# Altium PCB PCB1.pcbdoc
Units mil, origin at the board's own origin, x right, y up, seen from the top; angles counter-clockwise.
Board outline 7060 x 3517.91 mil, 2 copper layers (Top Layer, Bottom Layer); 12 components, 16 nets, 96 pads, 3 vias.
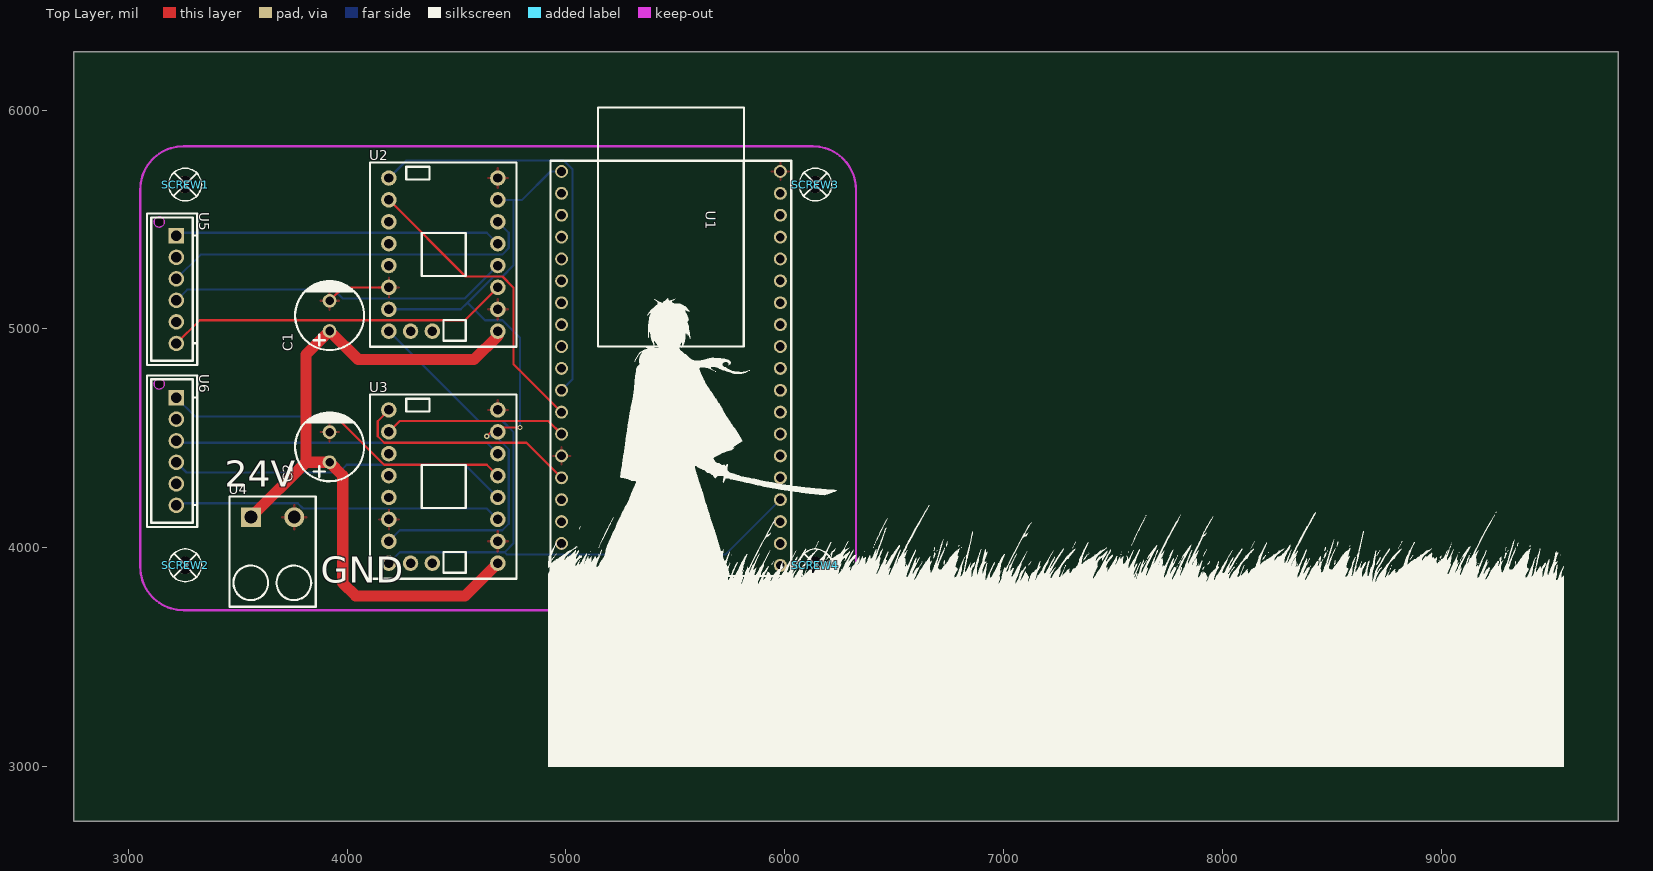
[diagram p0: Top Layer view]
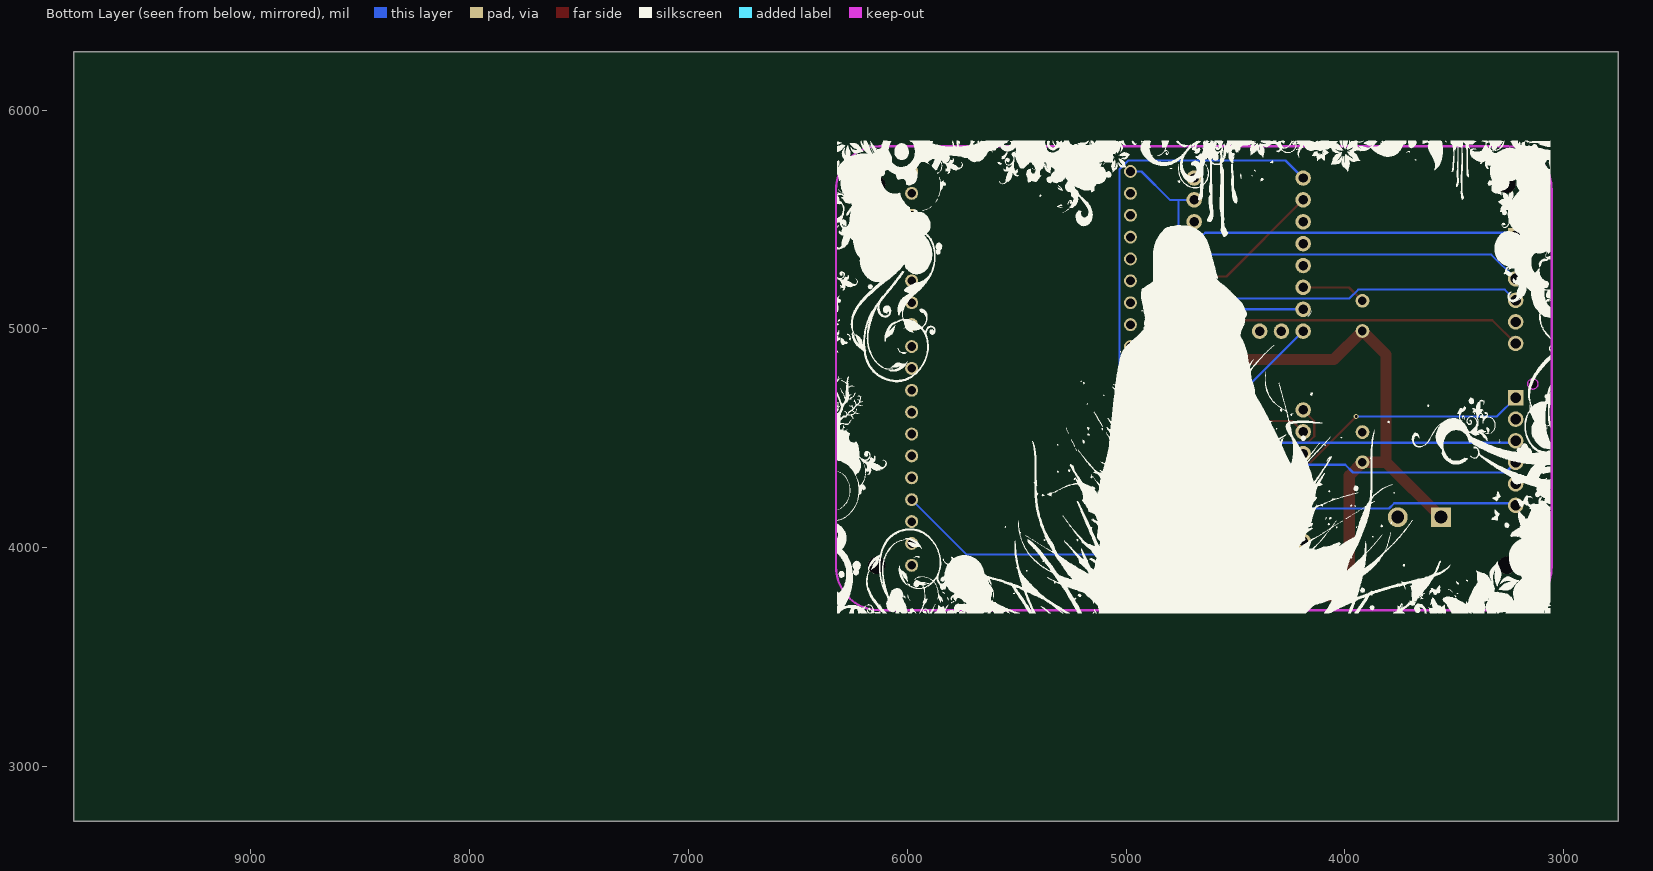
[diagram p1: Bottom Layer view, seen from below]

## Layer stack, top to bottom
Top Layer: signal copper (thickness not stored)
Dielectric: dielectric 12.6, FR-4, Dk 4.8
Bottom Layer: signal copper (thickness not stored)

## Board outline
9810,2750 2750,2750 2750,6267.91 9810,6267.91

## Design rules (kind name [scope] priority, off if disabled: settings)
BoardOutlineClearance copperThickness1oz [All] p0: genericclearance=10 ignorepadtopadclearanceinfootprint=FALSE except(0: Arc-SplitContinuation Track-SplitContinuation SMDPad-SplitContinuation THPad-SplitContinuation Via-SplitContinuation Fill-SplitContinuation Poly-SplitContinuation Region-SplitContinuation Text-SplitContinuation; 6: Track-CutoutEdge SMDPad-CutoutEdge THPad-CutoutEdge Via-CutoutEdge Region-CutoutEdge; 11.8: Track-OutlineEdge SMDPad-OutlineEdge THPad-OutlineEdge Via-OutlineEdge Fill-OutlineEdge Region-OutlineEdge Poly-OutlineEdge Text-OutlineEdge Fill-CutoutEdge)
BoardOutlineClearance copperThickness2oz [All] p0: genericclearance=10 ignorepadtopadclearanceinfootprint=FALSE except(0: Arc-SplitContinuation Track-SplitContinuation SMDPad-SplitContinuation THPad-SplitContinuation Via-SplitContinuation Fill-SplitContinuation Poly-SplitContinuation Region-SplitContinuation Text-SplitContinuation; 6: Track-CutoutEdge SMDPad-CutoutEdge THPad-CutoutEdge Via-CutoutEdge Region-CutoutEdge; 11.8: Track-OutlineEdge SMDPad-OutlineEdge THPad-OutlineEdge Via-OutlineEdge Fill-OutlineEdge Region-OutlineEdge Poly-OutlineEdge Text-OutlineEdge Fill-CutoutEdge)
Clearance copperThickness1oz [(InNet('3V3') OR InNet('IO27') OR InNet('IO14') OR InNet('IO12') OR InNet('GND') OR InNet('IO13') OR InNet('IO15') OR InNet('M1B') OR InNet('M1A') OR InNet('M2A') OR InNet('M2B') OR InNet('24V') OR InNet('$1N1393') OR InNet('$1N1386') OR InNet('$1N1398') OR InNet('$1N1404'))] p1: gap=7 ignorepadtopadclearanceinfootprint=FALSE except(4: Track-Track; 6: Track-SMDPad SMDPad-SMDPad Track-THPad SMDPad-THPad THPad-THPad Track-Via SMDPad-Via THPad-Via Via-Via SMDPad-Fill THPad-Fill Via-Fill Fill-Fill Track-Region SMDPad-Region THPad-Region Via-Region Region-Region Track-Poly SMDPad-Poly THPad-Poly Via-Poly Fill-Poly Region-Poly Poly-Poly Track-Text SMDPad-Text THPad-Text Via-Text Fill-Text Region-Text Poly-Text Text-Text; 6.9: Track-Hole SMDPad-Hole THPad-Hole Via-Hole Fill-Hole Region-Hole Poly-Hole Text-Hole Sheet-Hole; 11.8: Track-Fill Fill-Region Track-Sheet SMDPad-Sheet THPad-Sheet Via-Sheet Fill-Sheet Region-Sheet Poly-Sheet Text-Sheet)
Clearance copperThickness2oz [All] p1: gap=7 ignorepadtopadclearanceinfootprint=FALSE except(6: Track-SMDPad SMDPad-SMDPad Track-THPad SMDPad-THPad THPad-THPad Track-Via SMDPad-Via THPad-Via Via-Via SMDPad-Fill THPad-Fill Via-Fill Fill-Fill Track-Region SMDPad-Region THPad-Region Via-Region Region-Region Track-Poly SMDPad-Poly THPad-Poly Via-Poly Fill-Poly Region-Poly Poly-Poly Track-Text SMDPad-Text THPad-Text Via-Text Fill-Text Region-Text Poly-Text Text-Text; 6.9: Track-Hole SMDPad-Hole THPad-Hole Via-Hole Fill-Hole Region-Hole Poly-Hole Text-Hole Sheet-Hole; 8: Track-Track; 11.8: Track-Fill Fill-Region Track-Sheet SMDPad-Sheet THPad-Sheet Via-Sheet Fill-Sheet Region-Sheet Poly-Sheet Text-Sheet)
DiffPairsRouting differentialPair [All] p1: maxuncoupledlength=10 minlimit=6 maxlimit=6 mostfreqgap=6 toplayer_minwidth=5 toplayer_prefwidth=10 toplayer_maxwidth=100 bottomlayer_minwidth=5 bottomlayer_prefwidth=10 bottomlayer_maxwidth=100
PasteMaskExpansion pasteMaskExpansion [All] p1: expansion=0
PlaneConnect innerPlane [All] p1: planeconnectstyle=Relief reliefexpansion=20 reliefentries=4 reliefconductorwidth=10 reliefairgap=10
PolygonConnect copperRegion [All] p1: connectstyle=Relief reliefentries=4 reliefconductorwidth=10 polygonreliefangle="90 Angle" airgapwidth=10
RoutingVias viaSize [All] p1: viastyle="Through Hole" holewidth=12.0078 minholewidth=11.811 maxholewidth=248.0314 width=24.0158 minwidth=19.685 maxwidth=393.7008
SolderMaskExpansion solderMaskExpansion [All] p1: useseparateexpansions=TRUE expansion=2 expansionbottom=2
Width copperThickness1oz [All] p1: maxlimit=100 minlimit=5 preferedwidth=10
Width copperThickness2oz [All] p1: maxlimit=100 minlimit=8 preferedwidth=10

## Components (designator, comment, footprint, x,y, rotation, side; value= is the part's Value field where it differs from the comment)
C1 "100uF35V8x11GF" CAP-TH_BD8.0-P3.50-D0.6-FD-H10.0 3920,5060 r90 top
C2 "100uF35V8x11GF" CAP-TH_BD8.0-P3.50-D0.6-FD-H10.0 3920,4460 r90 top
SCREW1 "Screw-Hole-M2" Screw-Hole-M2 3260,5660 r0 top
SCREW2 "Screw-Hole-M2" Screw-Hole-M2 3260,3920 r0 top
SCREW3 "Screw-Hole-M2" Screw-Hole-M2 6140,5660 r0 top
SCREW4 "Screw-Hole-M2" Screw-Hole-M2 6140,3920 r0 top
U1 "ESP32-DevKitC" BULETM-SMD_ESP32-DEVKITC 5480,4820 r270 top
U2 "TMC2209SILENTSTEPSTICK" COMM-TH_TMC2209SILENTSTEPSTICK 4440,5340 r0 top
U3 "TMC2209SILENTSTEPSTICK" COMM-TH_TMC2209SILENTSTEPSTICK 4440,4280 r0 top
U4 "1988804" CONN-TH_1988804 3660,4140 r0 top
U5 "B6B-XH-AM(LF)(SN)" CONN-TH_6P-P2.50_B6B-XH-AM-LF-SN 3220,5180 r270 top
U6 "B6B-XH-AM(LF)(SN)" CONN-TH_6P-P2.50_B6B-XH-AM-LF-SN 3220,4440 r270 top

## Footprints (in the part's own frame and the unit in brackets; to place one, negate y for a bottom-side part, rotate by r counter-clockwise, add the part's x,y. Pads: shape width x height; smd on the part's side, far side on the other; paste and mask are expansions set on the pad)
BULETM-SMD_ESP32-DEVKITC [mm]
  round 1.5 hole 1: 1(-22.86,-12.7) 2(-20.32,-12.7) 3(-17.78,-12.7) 4(-15.24,-12.7) 5(-12.7,-12.7) 6(-10.16,-12.7) 7(-7.62,-12.7) 8(-5.08,-12.7) 9(-2.54,-12.7) 10(0,-12.7) 11(2.54,-12.7) 12(5.08,-12.7) 13(7.62,-12.7) 14(10.16,-12.7) 15(12.7,-12.7) 16(15.24,-12.7) 17(17.78,-12.7) 18(20.32,-12.7) 19(22.86,-12.7) 20(-22.86,12.7) 21(-20.32,12.7) 22(-17.78,12.7) 23(-15.24,12.7) 24(-12.7,12.7) 25(-10.16,12.7) 26(-7.62,12.7) 27(-5.08,12.7) 28(-2.54,12.7) 29(0,12.7) 30(2.54,12.7) 31(5.08,12.7) 32(7.62,12.7) 33(10.16,12.7) 34(12.7,12.7) 35(15.24,12.7) 36(17.78,12.7) 37(20.32,12.7) 38(22.86,12.7)
  silkscreen extent -30.3,-13.97 24.1,13.97
CAP-TH_BD8.0-P3.50-D0.6-FD-H10.0 [mm]
  round 1.6 hole 1: 1(-1.75,0) 2(1.75,0)
  silkscreen extent -3.96,-4 4.04,4
COMM-TH_TMC2209SILENTSTEPSTICK [mm]
  round 1.8 hole 1.1: 1(6.32,8.89) 2(6.32,6.35) 3(6.32,3.81) 4(6.32,1.27) 5(6.32,-1.27) 6(6.32,-3.81) 7(6.32,-6.35) 8(6.32,-8.89) 9(-6.32,8.89) 10(-6.32,6.35) 11(-6.32,3.81) 12(-6.32,1.27) 13(-6.32,-1.27) 14(-6.32,-3.81) 15(-6.32,-6.35) 16(-6.32,-8.89) 17(-3.81,-8.89) 18(-1.27,-8.89)
  silkscreen extent -8.5,-10.7 8.5,10.7
CONN-TH_6P-P2.50_B6B-XH-AM-LF-SN [mm]
  rect 1.8x1.8 hole 1.2: 1(-6.25,0)
  round 1.8 hole 1.2: 2(-3.75,0) 3(-1.25,0) 4(1.25,0) 5(3.75,0) 6(6.25,0)
  Board Outline Layer circle w0.005: c-7.85,-2 r0.6
  Board Outline Layer region: -7.85,-1.4 -7.59,-1.459 -7.381,-1.626 -7.265,-1.866 -7.265,-2.134 -7.381,-2.374 -7.59,-2.541 -7.85,-2.6 -7.85,-2.6 -8.11,-2.541 -8.319,-2.374 -8.435,-2.134 -8.435,-1.866 -8.319,-1.626 -8.11,-1.459 -7.85,-1.4
  Multi-Layer board cut-out: -7.85,-1.4 -7.59,-1.459 -7.381,-1.626 -7.265,-1.866 -7.265,-2.134 -7.381,-2.374 -7.59,-2.541 -7.85,-2.6 -7.85,-2.6 -8.11,-2.541 -8.319,-2.374 -8.435,-2.134 -8.435,-1.866 -8.319,-1.626 -8.11,-1.459 -7.85,-1.4
  silkscreen extent -8.83,-3.43 8.76,2.41
CONN-TH_1988804 [mm]
  rect 2.3x2.3 hole 1.5: 1(-2.5,0)
  round 2.3 hole 1.5: 2(2.5,0)
  silkscreen extent -5,-10.4 5,2.4
Screw-Hole-M2 [mm]
  round 2 hole 2: 1(0,0)
  silkscreen extent -1.9,-1.9 1.9,1.9

## Via types
v1: diameter 24.02, hole 12.01, Top Layer to Bottom Layer, 3 vias

## Nets (pads, with @x,y where several pads share a name; then routed paths per layer and width w, separated by ;. In a path a pad name is that pad's centre, name@x,y a point inside that pad or via, vN(x,y) a via of type N, cw(c..) or ccw(c..) an arc to the next point about the centre after c; other vN are vias at no path point)
3V3: U1.1 U2.2 U2.15 U3.2 U3.15 | length 3226.3
  Top Layer w10: v1(4638.82,4510) 4658.82,4530 U3.2 4708.82,4550 v1(4790,4550)
  Bottom Layer w10: U3.15 4241.18,4080 4708.82,4080 4738.82,4110 4738.82,4450 4678.82,4510 v1(4638.82,4510) ; U2.15 4520.01,5090 4550,5120 ; U2.2 4800,5590 4930,5720 U1.1 ; 4760,5590 4760,5290 4710,5240 4670,5240 4550,5120 ; v1(4790,4550) 4790,4960 4710,5040 4630,5040 4550,5120
24V: C1.1 C2.1 U2.8 U3.8 U4.1 | length 3368
  Top Layer w51.18: U4.1 3812.68,4391.1 ; U3.8 4538.82,3780 4040,3780 3980,3840 3980,4331.1 C2.1 3812.68,4391.1 ; U2.8 4688.82,4968.82 4580,4860 4051.1,4860 C1.1 3812.68,4883.77 3812.68,4391.1
$1N1386: U3.4 U6.1 | length 1616.3
  Top Layer w10: v1(3948.82,4600) 4168.82,4380 4638.82,4380 U3.4
  Bottom Layer w10: U6.1 3306.07,4600 v1(3948.82,4600)
$1N1393: U3.3 U6.3 | length 1493.3
  Bottom Layer w10: U6.3 3229.22,4480 4638.82,4480 U3.3
$1N1398: U3.5 U6.4 | length 1564.9
  Bottom Layer w10: U6.4 3266.35,4344.43 3963.25,4344.43 3998.82,4380 4538.82,4380 U3.5
$1N1404: U3.6 U6.6 | length 1503.6
  Bottom Layer w10: U6.6 3230,4203.94 3774.89,4203.94 3798.82,4180 4638.82,4180 U3.6
GND: C1.2 C2.2 U1.14 U1.20 U2.1 U2.7 U2.14 U3.1 U3.7 U3.14 U4.2 | length 296.5
  Top Layer w10: C1.2 3981.1,5190 U2.14
IO12: U1.13 U3.10 | length 834.4
  Top Layer w10: U3.10 4241.18,4580 4920,4580 U1.13
IO13: U1.15 U3.9 | length 1059.9
  Top Layer w10: U3.9 4140,4578.82 4140,4510 4170,4480 4820,4480 U1.15
IO14: U1.12 U2.10 | length 1395.6
  Top Layer w10: U2.10 4541.19,5240 4710,5240 4760,5190 4760,4840 U1.12
IO15: U1.35 U2.16 U3.16 | length 3243.2
  Bottom Layer w10: U3.16 4241.18,3980 4720,3980 ; U2.16 4601.19,4580 4710,4580 4760,4530 4760,4020 4720,3980 ; U1.35 5730,3970 4730,3970 4720,3980
IO27: U1.11 U2.9 | length 1919.2
  Bottom Layer w10: U2.9 4271.18,5770 4990,5770 5030,5730 5030,4770 U1.11
M1A: U2.4 U5.1 | length 1495.3
  Bottom Layer w10: U5.1 3233.93,5440 4638.82,5440 U2.4
M1B: U2.3 U5.3 | length 1717.8
  Bottom Layer w10: U5.3 3330.78,5340 4708.82,5340 4738.82,5370 4738.82,5440 U2.3
M2A: U2.5 U5.4 | length 1567.9
  Bottom Layer w10: U5.4 3269.22,5180 3938.82,5180 3978.82,5140 4538.82,5140 U2.5
M2B: U2.6 U5.6 | length 1574.9
  Top Layer w10: U5.6 3326.07,5040 4538.82,5040 U2.6
pads on no net: SCREW1.1 SCREW2.1 SCREW3.1 SCREW4.1 U1.2 U1.3 U1.4 U1.5 U1.6 U1.7 U1.8 U1.9 U1.10 U1.16 U1.17 U1.18 U1.19 U1.21 U1.22 U1.23 U1.24 U1.25 U1.26 U1.27 U1.28 U1.29 U1.30 U1.31 U1.32 U1.33 U1.34 U1.36 U1.37 U1.38 U2.11 U2.12 U2.13 U2.17 U2.18 U3.11 U3.12 U3.13 U3.17 U3.18 U5.2 U5.5 U6.2 U6.5

## Polygon pours and split planes (outlines as drawn)
GND on Top Layer (solid, remove dead copper, pour order 0): 3000,5880 6420,5880 6420,3600 3000,3600

## Keep-outs
Board Outline Layer:
  lines w10: 3055,3911.85 ccw(c3251.85,3911.85) 3251.85,3715 6128.15,3715 ccw(c6128.15,3911.85) 6325,3911.85 6325,5638.15 ccw(c6128.15,5638.15) 6128.15,5835 3251.85,5835 ccw(c3251.85,5638.15) 3055,5638.15 3055,3911.85

## Silkscreen, mask and mechanical layers (free items; w line width, h text height)
Top Silkscreen Layer:
  drawing of 130 lines, arcs and shapes, not listed
  text "24V" at 3440,4280 h120
  text "GND" at 3880,3840 h120
Bottom Silkscreen Layer:
  drawing of 213 lines, arcs and shapes, not listed